# Altium PCB Minion_Rev2.PcbDoc (part 8 of 11)
Units mil, origin at the board's own origin, x right, y up, seen from the top; angles counter-clockwise.
Board outline 4724.41 x 6929.13 mil, 4 copper layers (L1, L2, L3, L4), stack 62.087 mil thick; 873 components, 147 nets, 5651 pads, 5666 vias.
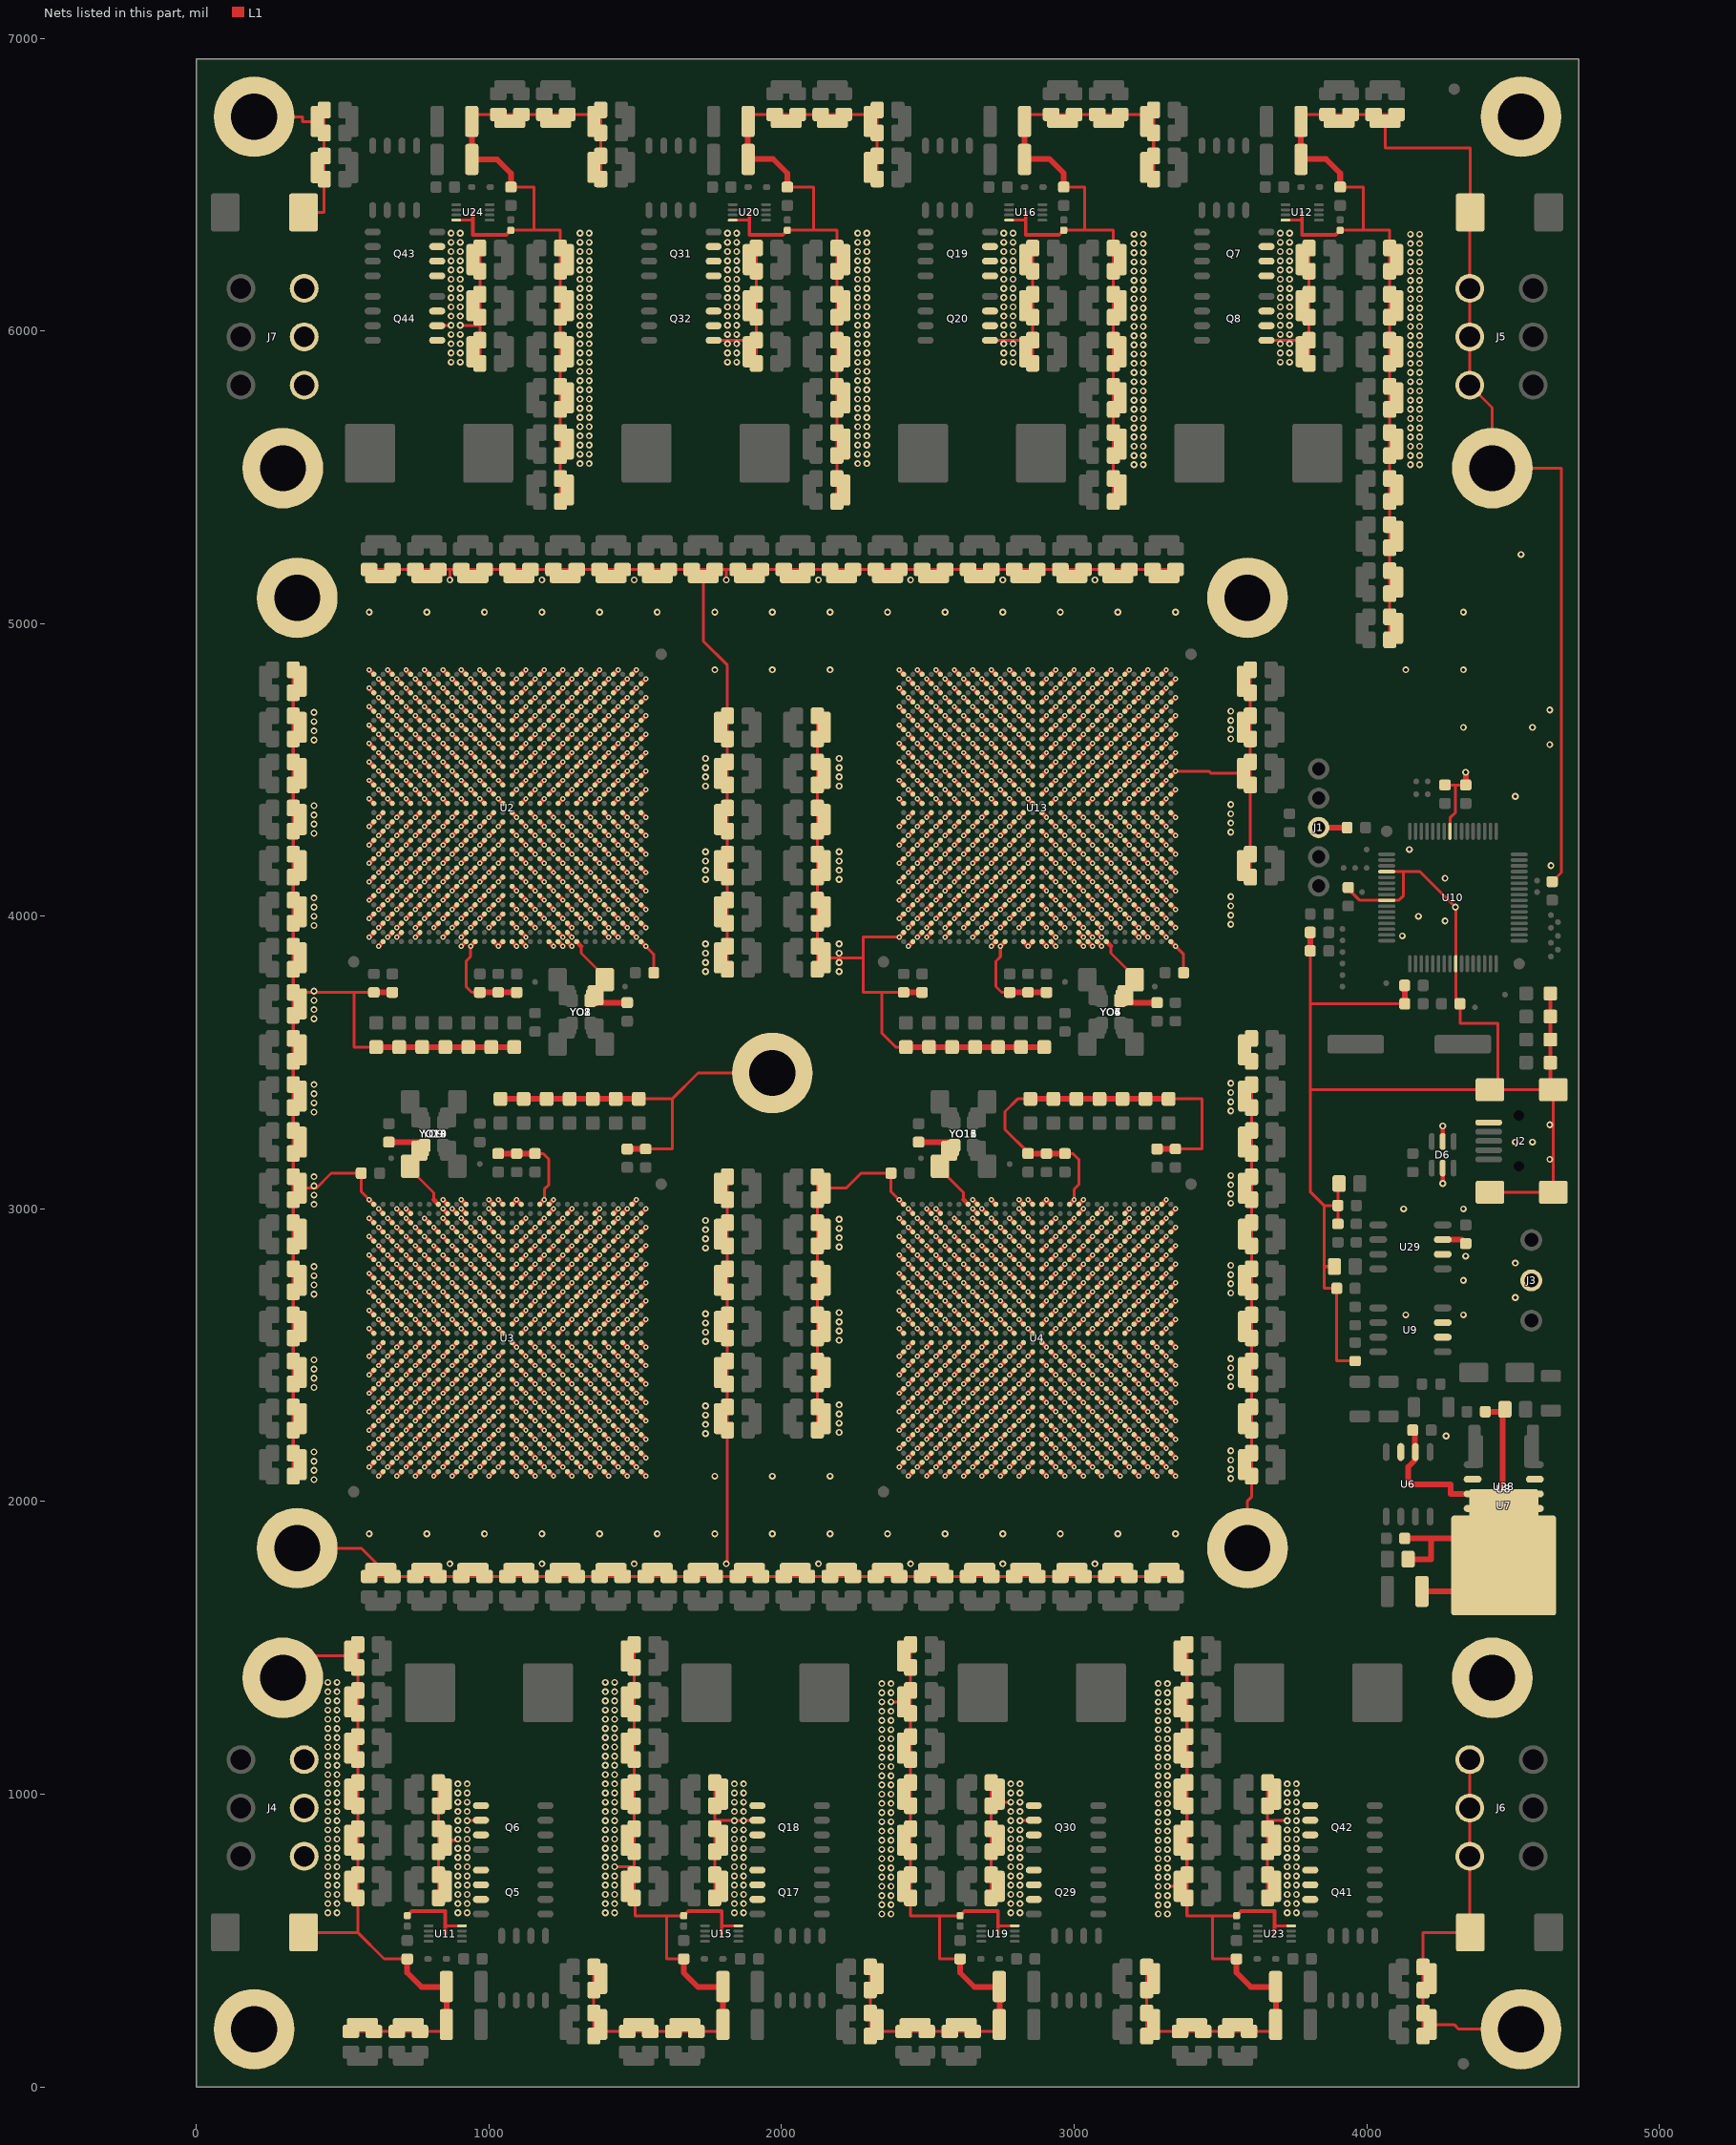
[diagram p10: the nets of this part, all layers, seen from the top]

## Via types
v1: diameter 17.72/17.72/17.72/17.72 (per signal layer), hole 7.87, L1 to L4, 3578 vias
v2: diameter 23.62/23.62/23.62/23.62 (per signal layer), hole 11.81, L1 to L4, 2088 vias

## Nets (pads, with @x,y where several pads share a name; then routed paths per layer and width w, separated by ;. In a path a pad name is that pad's centre, name@x,y a point inside that pad or via, vN(x,y) a via of type N, cw(c..) or ccw(c..) an arc to the next point about the centre after c; other vN are vias at no path point) (continued)
GND: C1.2 C2.2 C3.2 C5.2 C6.2 C7.2 C8.2 C9.2 C10.2 C11.2 C12.2 C13.1 C14.2 C15.2 C16.2 C17.2 C19.1 C20.1 C21.1 C22.1 C23.1 C24.2 C25.2 C26.1 C27.1 C30.1 C31.1 C32.1 C33.1 C34.1 C35.1 C36.1 C37.1 C38.1 C39.1 C40.1 C41.1 C42.1 C43.1 C44.1 C45.1 C46.1 C47.1 C48.1 C49.1 C50.1 C51.1 C52.1 C53.1 C54.1 C55.1 C56.2 C57.2 C58.1 C59.1 C62.1 C63.1 C64.1 C65.1 C66.1 C67.1 C68.1 C69.1 C70.1 C71.1 C72.1 C73.1 C74.1 C75.1 C76.1 C77.1 C78.1 C79.1 C80.1 C81.1 C82.1 C83.1 C84.1 C85.1 C86.1 C87.1 C88.2 C89.2 C90.1 C91.1 C94.1 C95.1 C96.1 C97.1 C98.1 C99.1 C100.1 C101.1 C102.1 C103.1 C104.1 C105.1 C106.1 C107.1 C108.1 C109.1 C110.1 C111.1 C112.1 C113.1 C114.1 C115.1 C116.1 C117.1 C118.1 C119.1 C120.2 C121.2 C122.1 C123.1 C126.1 C127.1 C128.1 C129.1 C130.1 C131.1 C132.1 C133.1 C134.1 C135.1 C136.1 C137.1 C138.1 C139.1 C140.1 C141.1 C142.1 C143.1 C144.1 C145.1 C146.1 C147.1 C148.1 C149.1 C150.1 C151.1 C152.1 C153.1 C154.1 C155.1 C156.1 C157.1 C158.1 C159.1 C160.1 C161.1 C162.1 C163.1 C164.1 C165.1 C166.1 C167.1 C169.1 C170.1 C171.1 C172.1 C173.1 C174.1 C175.1 C176.1 C177.1 C178.1 C179.1 C180.1 C197.1 C198.1 C199.1 C200.1 C201.1 C202.1 C203.1 C204.1 C205.1 C206.1 C207.1 C208.1 C209.1 C210.1 C211.1 C212.1 C213.1 C214.1 C231.2 C232.2 C236.1 C239.1 C289.1 C291.1 C293.1 C294.1 C303.1 C304.1 C305.1 C306.1 C307.1 C309.1 C315.1 C322.2 C323.2 C324.2 C325.2 C326.2 C327.2 C328.2 C329.2 C330.2 C331.2 C332.2 C333.2 C334.2 C335.2 C336.2 C337.2 C338.2 C339.2 C340.2 C341.2 C342.2 C343.2 C344.2 C345.2 C346.2 C347.2 C348.1 C349.1 C350.1 C351.1 C352.1 C353.2 C354.2 C355.2 C356.2 C357.2 C358.2 C359.2 C360.2 C361.2 C362.2 C363.2 C364.2 C365.2 C366.2 C367.2 C368.2 C369.2 C370.2 C371.2 C372.2 C373.2 C374.2 C375.2 C376.2 C377.2 C378.2 C379.2 C380.2 C381.2 C382.2 C383.2 C384.2 C385.2 C386.2 C387.2 C388.2 C389.2 C390.2 C391.2 C392.2 C393.1 C394.1 C395.1 C396.1 C397.1 C398.1 C399.1 C400.1 C401.1 C402.1 C403.1 C404.1 C405.1 C406.1 C407.1 C408.1 C409.1 C410.1 C411.1 C412.1 C413.1 C414.1 C415.1 C416.1 C417.1 C418.1 C419.1 C420.1 C421.1 C422.1 C423.1 C424.1 C425.1 C426.1 C427.1 C428.2 C429.2 C430.2 C431.2 C432.2 C433.2 C434.2 C435.2 C436.2 C437.2 C438.2 C439.2 C440.2 C441.2 C442.2 C443.2 C444.2 C445.2 C446.2 C447.2 C448.2 C449.2 C450.2 C451.2 C452.2 C453.2 C454.2 C455.2 C456.2 C457.2 C458.2 C459.2 C460.2 C461.2 C462.2 C463.2 C464.2 C465.2 C466.2 C467.2 C468.2 C469.2 C470.2 C471.2 C472.2 C473.2 C474.2 C475.2 C476.2 C477.2 C478.2 C479.2 C480.2 C481.2 C482.2 C483.2 C484.2 C485.2 C486.2 C487.2 C488.2 C489.2 C490.2 C491.2 C592.2 C593.1 C594.2 C595.2 C596.1 C597.2 C598.2 C599.1 C600.2 C601.2 C602.1 C603.2 C604.2 C605.1 C606.2 C608.2 C609.2 C610.2 C616.1 C640.2 C642.2 C643.2 C645.2 C646.2 C652.2 C653.1 C654.2 C655.2 C656.1 C657.2 C658.2 C659.1 C660.2 C661.2 C662.1 C663.2 C664.2 C665.1 C666.2 C667.2 C668.1 C669.2 C670.2 C671.1 C672.2 C673.2 C674.1 C675.2 C676.2 C677.1 C678.2 C679.2 C680.1 C681.2 C686.1 C688.2 C689.1 C692.1 C695.1 C711.2 C712.2 C714.2 C715.2 C717.2 C742.2 C743.1 C744.2 C745.2 C746.1 C747.2 C748.2 C749.1 C750.2 C751.2 C752.1 C753.2 C754.2 C755.1 C756.2 C757.2 C758.1 C759.2 C760.2 C761.1 C762.2 C763.2 C764.1 C765.2 C766.2 C767.1 C768.2 C769.2 C770.1 C771.2 C776.1 C779.1 C782.1 C785.1 C807.2 C808.2 C810.2 C811.2 C813.2 C814.2 C832.2 C833.1 C834.2 C835.2 C836.1 C837.2 C838.2 C839.1 C840.2 C841.2 C842.1 C843.2 C844.2 C845.1 C846.2 C847.2 C848.1 C849.2 C850.2 C851.1 C852.2 C853.2 C854.1 C855.2 C856.2 C857.1 C858.2 C859.2 C860.1 C861.2 C866.1 C868.2 C869.1 C872.1 C876.2 C877.2 C879.2 C880.2 C882.2 C913.2 C915.2 C916.2 C918.2 C919.2 C922.2 C923.1 C924.2 C925.2 C926.1 C927.2 C928.2 C929.1 C930.2 C931.2 C932.1 C933.2 C934.2 C935.1 C936.2 C937.2 C938.1 C939.2 C940.2 C941.1 C942.2 C943.2 C944.1 C945.2 C946.2 C947.1 C948.2 C949.2 C950.1 C951.2 C952.2 C953.1 C954.2 C955.2 C956.1 C957.2 C958.2 C959.1 C960.2 C961.2 C962.1 C963.2 C964.2 C965.1 C966.2 C967.2 C968.1 C969.2 C970.2 C971.1 C972.2 C973.2 C974.1 C975.2 C976.2 C977.1 C978.2 C979.2 C980.1 C981.2 C982.2 C983.1 C984.2 C985.2 C986.1 C987.2 C988.2 C989.1 C990.2 C991.2 C992.1 C993.2 C994.2 C995.1 C996.2 C997.2 C998.1 C999.2 C1000.2 C1001.1 C1002.2 C1003.2 C1004.1 C1005.2 C1006.2 C1007.1 C1008.2 C1009.2 C1010.1 C1011.2 C1012.2 C1013.1 C1014.2 C1015.2 C1016.1 C1017.2 C1018.2 C1019.1 C1020.2 C1021.2 C1022.1 C1023.2 C1024.2 C1025.1 C1026.2 C1027.2 C1028.1 C1029.2 C1030.2 C1031.1 C1032.2 C1033.2 C1034.1 C1035.2 C1036.2 C1037.1 C1038.2 C1039.2 C1040.1 C1041.2 C1042.2 C1043.1 C1044.2 C1045.2 C1046.1 C1047.2 C1048.2 C1049.1 C1050.2 C1051.2 C1052.1 C1053.2 C1054.2 C1055.1 C1056.2 C1057.2 C1058.1 C1059.2 C1060.2 C1061.1 C1062.2 C1063.2 C1064.1 C1065.2 C1066.2 C1067.1 C1068.2 C1069.2 C1070.1 C1071.2 D1.1 D2.1 D3.1 D4.1 D5.1 D6.2 D6.5 D7.1 D9.1 D12.1 D13.1 D16.1 D17.1 D20.1 D21.1 D24.1 D25.1 D26.2 D27.1 D28.2 D29.1 D30.2 D31.1 D32.2 D33.1 D34.1 D35.1 D36.1 D37.1 D38.1 D39.1 D40.1 D41.1 D42.1 D43.1 D44.1 D45.1 D46.1 J1.3 J2.5 J2.6 J2.7 J2.8 J2.9 J3.2 J4.4 J4.5 J4.6 J5.4 J5.5 J5.6 J6.4 J6.5 J6.6 J7.4 J7.5 J7.6 J9.1 J13.1 J14.1 J15.1 J16.1 J17.1 J18.1 J19.1 J20.1 J21.1 J22.1 J23.1 J24.1 Q5.1 Q5.2 Q5.3 Q6.1 Q6.2 Q6.3 Q7.1 Q7.2 Q7.3 Q8.1 Q8.2 Q8.3 Q17.1 Q17.2 Q17.3 Q18.1 Q18.2 Q18.3 Q19.1 Q19.2 Q19.3 Q20.1 Q20.2 Q20.3 Q29.1 Q29.2 Q29.3 Q30.1 Q30.2 Q30.3 Q31.1 Q31.2 Q31.3 Q32.1 Q32.2 Q32.3 Q41.1 Q41.2 Q41.3 Q42.1 Q42.2 Q42.3 Q43.1 Q43.2 Q43.3 Q44.1 Q44.2 Q44.3 R17.2 R19.1 R25.1 R28.2 R37.1 R38.1 R39.1 R40.1 R41.1 R42.1 U2.A1 U2.A3 U2.A5 U2.A7 U2.A9 U2.A11 U2.A13 U2.A15 U2.A17 U2.A19 U2.A21 U2.A23 U2.A25 U2.A27 U2.A29 U2.AA1 U2.AA3 U2.AA5 U2.AA7 U2.AA9 U2.AA11 U2.AA13 U2.AA15 U2.AA17 U2.AA19 U2.AA21 U2.AA23 U2.AA25 U2.AA27 U2.AA29 U2.AB2 U2.AB4 U2.AB6 U2.AB8 U2.AB10 U2.AB12 U2.AB14 U2.AB16 U2.AB18 U2.AB20 U2.AB22 U2.AB24 U2.AB26 U2.AB28 U2.AB30 U2.AC1 U2.AC3 U2.AC5 U2.AC7 U2.AC9 U2.AC11 U2.AC13 U2.AC15 U2.AC17 U2.AC19 U2.AC21 U2.AC23 U2.AC25 U2.AC27 U2.AC29 U2.AD2 U2.AD4 U2.AD6 U2.AD8 U2.AD10 U2.AD12 U2.AD14 U2.AD16 U2.AD18 U2.AD20 U2.AD22 U2.AD24 U2.AD26 U2.AD28 U2.AD30 U2.AE1 U2.AE3 U2.AE5 U2.AE7 U2.AE9 U2.AE11 U2.AE13 U2.AE15 U2.AE17 U2.AE19 U2.AE21 U2.AE23 U2.AE25 U2.AE27 U2.AE29 U2.AF2 U2.AF4 U2.AF6 U2.AF8 U2.AF10 U2.AF12 U2.AF14 U2.AF16 U2.AF18 U2.AF20 U2.AF22 U2.AF24 U2.AF26 U2.AF28 U2.AF30 U2.AG1 U2.AG3 U2.AG5 U2.AG7 U2.AG9 U2.AG11 U2.AG13 U2.AG15 U2.AG17 U2.AG19 U2.AG21 U2.AG23 U2.AG25 U2.AG27 U2.AG29 U2.AH2 U2.AH4 U2.AH6 U2.AH8 U2.AH10 U2.AH12 U2.AH14 U2.AH16 U2.AH18 U2.AH20 U2.AH22 U2.AH24 U2.AH26 U2.AH28 U2.AH30 U2.AJ1 U2.AJ3 U2.AJ4 U2.AJ6 U2.AJ9 U2.AJ11 U2.AJ17 U2.AJ21 U2.AJ22 U2.AJ26 U2.AJ27 U2.AJ29 U2.AK2 U2.AK11 U2.AK12 U2.AK14 U2.AK15 U2.AK16 U2.AK17 U2.AK20 U2.AK21 U2.AK22 U2.AK23 U2.AK30 U2.B2 U2.B4 U2.B6 U2.B8 U2.B10 U2.B12 U2.B14 U2.B16 U2.B18 U2.B20 U2.B22 U2.B24 U2.B26 U2.B28 U2.B30 U2.C1 U2.C3 U2.C5 U2.C7 U2.C9 U2.C11 U2.C13 U2.C15 U2.C17 U2.C19 U2.C21 U2.C23 U2.C25 U2.C27 U2.C29 U2.D2 U2.D4 U2.D6 U2.D8 U2.D10 U2.D12 U2.D14 U2.D16 U2.D18 U2.D20 U2.D22 U2.D24 U2.D26 U2.D28 U2.D30 U2.E1 U2.E3 U2.E5 U2.E7 U2.E9 U2.E11 U2.E13 U2.E15 U2.E17 U2.E19 U2.E21 U2.E23 U2.E25 U2.E27 U2.E29 U2.F2 U2.F4 U2.F6 U2.F8 U2.F10 U2.F12 U2.F14 U2.F16 U2.F18 U2.F20 U2.F22 U2.F24 U2.F26 U2.F28 U2.F30 U2.G1 U2.G3 U2.G5 U2.G7 U2.G9 U2.G11 U2.G13 U2.G15 U2.G17 U2.G19 U2.G21 U2.G23 U2.G25 U2.G27 U2.G29 U2.H2 U2.H4 U2.H6 U2.H8 U2.H10 U2.H12 U2.H14 U2.H16 U2.H18 U2.H20 U2.H22 U2.H24 U2.H26 U2.H28 U2.H30 U2.J1 U2.J3 U2.J5 U2.J7 U2.J9 U2.J11 U2.J13 U2.J15 U2.J17 U2.J19 U2.J21 U2.J23 U2.J25 U2.J27 U2.J29 U2.K2 U2.K4 U2.K6 U2.K8 U2.K10 U2.K12 U2.K14 U2.K16 U2.K18 U2.K20 U2.K22 U2.K24 U2.K26 U2.K28 U2.K30 U2.L1 U2.L3 U2.L5 U2.L7 U2.L9 U2.L11 U2.L13 U2.L15 U2.L17 U2.L19 U2.L21 U2.L23 U2.L25 U2.L27 U2.L29 U2.M2 U2.M4 U2.M6 U2.M8 U2.M10 U2.M12 U2.M14 U2.M16 U2.M18 U2.M20 U2.M22 U2.M24 U2.M26 U2.M28 U2.M30 U2.N1 U2.N3 U2.N5 U2.N7 U2.N9 U2.N11 U2.N13 U2.N15 U2.N17 U2.N19 U2.N21 U2.N23 U2.N25 U2.N27 U2.N29 U2.P2 U2.P4 U2.P6 U2.P8 U2.P10 U2.P12 U2.P14 U2.P16 U2.P18 U2.P20 U2.P22 U2.P24 U2.P26 U2.P28 U2.P30 U2.R1 U2.R3 U2.R5 U2.R7 U2.R9 U2.R11 U2.R13 U2.R15 U2.R17 U2.R19 U2.R21 U2.R23 U2.R25 U2.R27 U2.R29 U2.T2 U2.T4 U2.T6 U2.T8 U2.T10 U2.T12 U2.T14 U2.T16 U2.T18 U2.T20 U2.T22 U2.T24 U2.T26 U2.T28 U2.T30 U2.U1 U2.U3 U2.U5 U2.U7 U2.U9 U2.U11 U2.U13 U2.U15 U2.U17 U2.U19 U2.U21 U2.U23 U2.U25 U2.U27 U2.U29 U2.V2 U2.V4 U2.V6 U2.V8 U2.V10 U2.V12 U2.V14 U2.V16 U2.V18 U2.V20 U2.V22 U2.V24 U2.V26 U2.V28 U2.V30 U2.W1 U2.W3 U2.W5 U2.W7 U2.W9 U2.W11 U2.W13 U2.W15 U2.W17 U2.W19 U2.W21 U2.W23 U2.W25 U2.W27 U2.W29 U2.Y2 U2.Y4 U2.Y6 U2.Y8 U2.Y10 U2.Y12 U2.Y14 U2.Y16 U2.Y18 U2.Y20 U2.Y22 U2.Y24 U2.Y26 U2.Y28 U2.Y30 U3.A1 U3.A3 U3.A5 U3.A7 U3.A9 U3.A11 U3.A13 U3.A15 U3.A17 U3.A19 U3.A21 U3.A23 U3.A25 U3.A27 U3.A29 U3.AA1 U3.AA3 U3.AA5 U3.AA7 U3.AA9 U3.AA11 U3.AA13 U3.AA15 U3.AA17 U3.AA19 U3.AA21 U3.AA23 U3.AA25 U3.AA27 U3.AA29 U3.AB2 U3.AB4 U3.AB6 U3.AB8 U3.AB10 U3.AB12 U3.AB14 U3.AB16 U3.AB18 U3.AB20 U3.AB22 U3.AB24 U3.AB26 U3.AB28 U3.AB30 U3.AC1 U3.AC3 U3.AC5 U3.AC7 U3.AC9 U3.AC11 U3.AC13 U3.AC15 U3.AC17 U3.AC19 U3.AC21 U3.AC23 U3.AC25 U3.AC27 U3.AC29 U3.AD2 U3.AD4 U3.AD6 U3.AD8 U3.AD10 U3.AD12 U3.AD14 U3.AD16 U3.AD18 U3.AD20 U3.AD22 U3.AD24 U3.AD26 U3.AD28 U3.AD30 U3.AE1 U3.AE3 U3.AE5 U3.AE7 U3.AE9 U3.AE11 U3.AE13 U3.AE15 U3.AE17 U3.AE19 U3.AE21 U3.AE23 U3.AE25 U3.AE27 U3.AE29 U3.AF2 U3.AF4 U3.AF6 U3.AF8 U3.AF10 U3.AF12 U3.AF14 U3.AF16 U3.AF18 U3.AF20 U3.AF22 U3.AF24 U3.AF26 U3.AF28 U3.AF30 U3.AG1 U3.AG3 U3.AG5 U3.AG7 U3.AG9 U3.AG11 U3.AG13 U3.AG15 U3.AG17 U3.AG19 U3.AG21 U3.AG23 U3.AG25 U3.AG27 U3.AG29 U3.AH2 U3.AH4 U3.AH6 U3.AH8 U3.AH10 U3.AH12 U3.AH14 U3.AH16 U3.AH18 U3.AH20 U3.AH22 U3.AH24 U3.AH26 U3.AH28 U3.AH30 U3.AJ1 U3.AJ3 U3.AJ4 U3.AJ6 U3.AJ9 U3.AJ11 U3.AJ17 U3.AJ20 U3.AJ21 U3.AJ22 U3.AJ26 U3.AJ27 U3.AJ29 U3.AK2 U3.AK11 U3.AK12 U3.AK14 U3.AK15 U3.AK16 U3.AK17 U3.AK20 U3.AK22 U3.AK23 U3.AK30 U3.B2 U3.B4 U3.B6 U3.B8 U3.B10 U3.B12 U3.B14 U3.B16 U3.B18 U3.B20 U3.B22 U3.B24 U3.B26 U3.B28 U3.B30 U3.C1 U3.C3 U3.C5 U3.C7 U3.C9 U3.C11 U3.C13 U3.C15 U3.C17 U3.C19 U3.C21 U3.C23 U3.C25 U3.C27 U3.C29 U3.D2 U3.D4 U3.D6 U3.D8 U3.D10 U3.D12 U3.D14 U3.D16 U3.D18 U3.D20 U3.D22 U3.D24 U3.D26 U3.D28 U3.D30 U3.E1 U3.E3 U3.E5 U3.E7 U3.E9 U3.E11 U3.E13 U3.E15 U3.E17 U3.E19 U3.E21 U3.E23 U3.E25 U3.E27 U3.E29 U3.F2 U3.F4 U3.F6 U3.F8 U3.F10 U3.F12 U3.F14 U3.F16 U3.F18 U3.F20 U3.F22 U3.F24 U3.F26 U3.F28 U3.F30 U3.G1 U3.G3 U3.G5 U3.G7 U3.G9 U3.G11 U3.G13 U3.G15 U3.G17 U3.G19 U3.G21 U3.G23 U3.G25 U3.G27 U3.G29 U3.H2 U3.H4 U3.H6 U3.H8 U3.H10 U3.H12 U3.H14 U3.H16 U3.H18 U3.H20 U3.H22 U3.H24 U3.H26 U3.H28 U3.H30 U3.J1 U3.J3 U3.J5 U3.J7 U3.J9 U3.J11 U3.J13 U3.J15 U3.J17 U3.J19 U3.J21 U3.J23 U3.J25 U3.J27 U3.J29 U3.K2 U3.K4 U3.K6 U3.K8 U3.K10 U3.K12 U3.K14 U3.K16 U3.K18 U3.K20 U3.K22 U3.K24 U3.K26 U3.K28 U3.K30 U3.L1 U3.L3 U3.L5 U3.L7 U3.L9 U3.L11 U3.L13 U3.L15 U3.L17 U3.L19 U3.L21 U3.L23 U3.L25 U3.L27 U3.L29 U3.M2 U3.M4 U3.M6 U3.M8 U3.M10 U3.M12 U3.M14 U3.M16 U3.M18 U3.M20 U3.M22 U3.M24 U3.M26 U3.M28 U3.M30 U3.N1 U3.N3 U3.N5 U3.N7 U3.N9 U3.N11 U3.N13 U3.N15 U3.N17 U3.N19 U3.N21 U3.N23 U3.N25 U3.N27 U3.N29 U3.P2 U3.P4 U3.P6 U3.P8 U3.P10 U3.P12 U3.P14 U3.P16 U3.P18 U3.P20 U3.P22 U3.P24 U3.P26 U3.P28 U3.P30 U3.R1 U3.R3 U3.R5 U3.R7 U3.R9 U3.R11 U3.R13 U3.R15 U3.R17 U3.R19 U3.R21 U3.R23 U3.R25 U3.R27 U3.R29 U3.T2 U3.T4 U3.T6 U3.T8 U3.T10 U3.T12 U3.T14 U3.T16 U3.T18 U3.T20 U3.T22 U3.T24 U3.T26 U3.T28 U3.T30 U3.U1 U3.U3 U3.U5 U3.U7 U3.U9 U3.U11 U3.U13 U3.U15 U3.U17 U3.U19 U3.U21 U3.U23 U3.U25 U3.U27 U3.U29 U3.V2 U3.V4 U3.V6 U3.V8 U3.V10 U3.V12 U3.V14 U3.V16 U3.V18 U3.V20 U3.V22 U3.V24 U3.V26 U3.V28 U3.V30 U3.W1 U3.W3 U3.W5 U3.W7 U3.W9 U3.W11 U3.W13 U3.W15 U3.W17 U3.W19 U3.W21 U3.W23 U3.W25 U3.W27 U3.W29 U3.Y2 U3.Y4 U3.Y6 U3.Y8 U3.Y10 U3.Y12 U3.Y14 U3.Y16 U3.Y18 U3.Y20 U3.Y22 U3.Y24 U3.Y26 U3.Y28 U3.Y30 U4.A1 U4.A3 U4.A5 U4.A7 U4.A9 U4.A11 U4.A13 U4.A15 U4.A17 U4.A19 U4.A21 U4.A23 U4.A25 U4.A27 U4.A29 U4.AA1 U4.AA3 U4.AA5 U4.AA7 U4.AA9 U4.AA11 U4.AA13 U4.AA15 U4.AA17 U4.AA19 U4.AA21 U4.AA23 U4.AA25 U4.AA27 U4.AA29 U4.AB2 U4.AB4 U4.AB6 U4.AB8 U4.AB10 U4.AB12 U4.AB14 U4.AB16 U4.AB18 U4.AB20 U4.AB22 U4.AB24 U4.AB26 U4.AB28 U4.AB30 U4.AC1 U4.AC3 U4.AC5 U4.AC7 U4.AC9 U4.AC11 U4.AC13 U4.AC15 U4.AC17 U4.AC19 U4.AC21 U4.AC23 U4.AC25 U4.AC27 U4.AC29 U4.AD2 U4.AD4 U4.AD6 U4.AD8 U4.AD10 U4.AD12 U4.AD14 U4.AD16 U4.AD18 U4.AD20 U4.AD22 U4.AD24 U4.AD26 U4.AD28 U4.AD30 U4.AE1 U4.AE3 U4.AE5 U4.AE7 U4.AE9 U4.AE11 U4.AE13 U4.AE15 U4.AE17 U4.AE19 U4.AE21 U4.AE23 U4.AE25 U4.AE27 U4.AE29 U4.AF2 U4.AF4 U4.AF6 U4.AF8 U4.AF10 U4.AF12 U4.AF14 U4.AF16 U4.AF18 U4.AF20 U4.AF22 U4.AF24 U4.AF26 U4.AF28 U4.AF30 U4.AG1 U4.AG3 U4.AG5 U4.AG7 U4.AG9 U4.AG11 U4.AG13 U4.AG15 U4.AG17 U4.AG19 U4.AG21 U4.AG23 U4.AG25 U4.AG27 U4.AG29 U4.AH2 U4.AH4 U4.AH6 U4.AH8 U4.AH10 U4.AH12 U4.AH14 U4.AH16 U4.AH18 U4.AH20 U4.AH22 U4.AH24 U4.AH26 U4.AH28 U4.AH30 U4.AJ1 U4.AJ3 U4.AJ4 U4.AJ6 U4.AJ9 U4.AJ11 U4.AJ17 U4.AJ21 U4.AJ22 U4.AJ26 U4.AJ27 U4.AJ29 U4.AK2 U4.AK11 U4.AK12 U4.AK14 U4.AK15 U4.AK16 U4.AK17 U4.AK20 U4.AK22 U4.AK23 U4.AK30 U4.B2 U4.B4 U4.B6 U4.B8 U4.B10 U4.B12 U4.B14 U4.B16 U4.B18 U4.B20 U4.B22 U4.B24 U4.B26 U4.B28 U4.B30 U4.C1 U4.C3 U4.C5 U4.C7 U4.C9 U4.C11 U4.C13 U4.C15 U4.C17 U4.C19 U4.C21 U4.C23 U4.C25 U4.C27 U4.C29 U4.D2 U4.D4 U4.D6 U4.D8 U4.D10 U4.D12 U4.D14 U4.D16 U4.D18 U4.D20 U4.D22 U4.D24 U4.D26 U4.D28 U4.D30 U4.E1 U4.E3 U4.E5 U4.E7 U4.E9 U4.E11 U4.E13 U4.E15 U4.E17 U4.E19 U4.E21 U4.E23 U4.E25 U4.E27 U4.E29 U4.F2 U4.F4 U4.F6 U4.F8 U4.F10 U4.F12 U4.F14 U4.F16 U4.F18 U4.F20 U4.F22 U4.F24 U4.F26 U4.F28 U4.F30 U4.G1 U4.G3 U4.G5 U4.G7 U4.G9 U4.G11 U4.G13 U4.G15 U4.G17 U4.G19 U4.G21 U4.G23 U4.G25 U4.G27 U4.G29 U4.H2 U4.H4 U4.H6 U4.H8 U4.H10 U4.H12 U4.H14 U4.H16 U4.H18 U4.H20 U4.H22 U4.H24 U4.H26 U4.H28 U4.H30 U4.J1 U4.J3 U4.J5 U4.J7 U4.J9 U4.J11 U4.J13 U4.J15 U4.J17 U4.J19 U4.J21 U4.J23 U4.J25 U4.J27 U4.J29 U4.K2 U4.K4 U4.K6 U4.K8 U4.K10 U4.K12 U4.K14 U4.K16 U4.K18 U4.K20 U4.K22 U4.K24 U4.K26 U4.K28 U4.K30 U4.L1 U4.L3 U4.L5 U4.L7 U4.L9 U4.L11 U4.L13 U4.L15 U4.L17 U4.L19 U4.L21 U4.L23 U4.L25 U4.L27 U4.L29 U4.M2 U4.M4 U4.M6 U4.M8 U4.M10 U4.M12 U4.M14 U4.M16 U4.M18 U4.M20 U4.M22 U4.M24 U4.M26 U4.M28 U4.M30 U4.N1 U4.N3 U4.N5 U4.N7 U4.N9 U4.N11 U4.N13 U4.N15 U4.N17 U4.N19 U4.N21 U4.N23 U4.N25 U4.N27 U4.N29 U4.P2 U4.P4 U4.P6 U4.P8 U4.P10 U4.P12 U4.P14 U4.P16 U4.P18 U4.P20 U4.P22 U4.P24 U4.P26 U4.P28 U4.P30 U4.R1 U4.R3 U4.R5 U4.R7 U4.R9 U4.R11 U4.R13 U4.R15 U4.R17 U4.R19 U4.R21 U4.R23 U4.R25 U4.R27 U4.R29 U4.T2 U4.T4 U4.T6 U4.T8 U4.T10 U4.T12 U4.T14 U4.T16 U4.T18 U4.T20 U4.T22 U4.T24 U4.T26 U4.T28 U4.T30 U4.U1 U4.U3 U4.U5 U4.U7 U4.U9 U4.U11 U4.U13 U4.U15 U4.U17 U4.U19 U4.U21 U4.U23 U4.U25 U4.U27 U4.U29 U4.V2 U4.V4 U4.V6 U4.V8 U4.V10 U4.V12 U4.V14 U4.V16 U4.V18 U4.V20 U4.V22 U4.V24 U4.V26 U4.V28 U4.V30 U4.W1 U4.W3 U4.W5 U4.W7 U4.W9 U4.W11 U4.W13 U4.W15 U4.W17 U4.W19 U4.W21 U4.W23 U4.W25 U4.W27 U4.W29 U4.Y2 U4.Y4 U4.Y6 U4.Y8 U4.Y10 U4.Y12 U4.Y14 U4.Y16 U4.Y18 U4.Y20 U4.Y22 U4.Y24 U4.Y26 U4.Y28 U4.Y30 U6.6 U6.7 U7.4 U8.4 U9.6 U9.7 U10.9 U10.20 U10.25 U10.41 U11.4 U11.9 U12.4 U12.9 U13.A1 U13.A3 U13.A5 U13.A7 U13.A9 U13.A11 U13.A13 U13.A15 U13.A17 U13.A19 U13.A21 U13.A23 U13.A25 U13.A27 U13.A29 U13.AA1 U13.AA3 U13.AA5 U13.AA7 U13.AA9 U13.AA11 U13.AA13 U13.AA15 U13.AA17 U13.AA19 U13.AA21 U13.AA23 U13.AA25 U13.AA27 U13.AA29 U13.AB2 U13.AB4 U13.AB6 U13.AB8 U13.AB10 U13.AB12 U13.AB14 U13.AB16 U13.AB18 U13.AB20 U13.AB22 U13.AB24 U13.AB26 U13.AB28 U13.AB30 U13.AC1 U13.AC3 U13.AC5 U13.AC7 U13.AC9 U13.AC11 U13.AC13 U13.AC15 U13.AC17 U13.AC19 U13.AC21 U13.AC23 U13.AC25 U13.AC27 U13.AC29 U13.AD2 U13.AD4 U13.AD6 U13.AD8 U13.AD10 U13.AD12 U13.AD14 U13.AD16 U13.AD18 U13.AD20 U13.AD22 U13.AD24 U13.AD26 U13.AD28 U13.AD30 U13.AE1 U13.AE3 U13.AE5 U13.AE7 U13.AE9 U13.AE11 U13.AE13 U13.AE15 U13.AE17 U13.AE19 U13.AE21 U13.AE23 U13.AE25 U13.AE27 U13.AE29 U13.AF2 U13.AF4 U13.AF6 U13.AF8 U13.AF10 U13.AF12 U13.AF14 U13.AF16 U13.AF18 U13.AF20 U13.AF22 U13.AF24 U13.AF26 U13.AF28 U13.AF30 U13.AG1 U13.AG3 U13.AG5 U13.AG7 U13.AG9 U13.AG11 U13.AG13 U13.AG15 U13.AG17 U13.AG19 U13.AG21 U13.AG23 U13.AG25 U13.AG27 U13.AG29 U13.AH2 U13.AH4 U13.AH6 U13.AH8 U13.AH10 U13.AH12 U13.AH14 U13.AH16 U13.AH18 U13.AH20 U13.AH22 U13.AH24 U13.AH26 U13.AH28 U13.AH30 U13.AJ1 U13.AJ3 U13.AJ4 U13.AJ6 U13.AJ9 U13.AJ11 U13.AJ17 U13.AJ20 U13.AJ21 U13.AJ22 U13.AJ26 U13.AJ27 U13.AJ29 U13.AK2 U13.AK11 U13.AK12 U13.AK14 U13.AK15 U13.AK16 U13.AK17 U13.AK20 U13.AK21 U13.AK22 U13.AK23 U13.AK30 U13.B2 U13.B4 U13.B6 U13.B8 U13.B10 U13.B12 U13.B14 U13.B16 U13.B18 U13.B20 U13.B22 U13.B24 U13.B26 U13.B28 U13.B30 U13.C1 U13.C3 U13.C5 U13.C7 U13.C9 U13.C11 U13.C13 U13.C15 U13.C17 U13.C19 U13.C21 U13.C23 U13.C25 U13.C27 U13.C29 U13.D2 U13.D4 U13.D6 U13.D8 U13.D10 U13.D12 U13.D14 U13.D16 U13.D18 U13.D20 U13.D22 U13.D24 U13.D26 U13.D28 U13.D30 U13.E1 U13.E3 U13.E5 U13.E7 U13.E9 U13.E11 U13.E13 U13.E15 U13.E17 U13.E19 U13.E21 U13.E23 U13.E25 U13.E27 U13.E29 U13.F2 U13.F4 U13.F6 U13.F8 U13.F10 U13.F12 U13.F14 U13.F16 U13.F18 U13.F20 U13.F22 U13.F24 U13.F26 U13.F28 U13.F30 U13.G1 U13.G3 U13.G5 U13.G7 U13.G9 U13.G11 U13.G13 U13.G15 U13.G17 U13.G19 U13.G21 U13.G23 U13.G25 U13.G27 U13.G29 U13.H2 U13.H4 U13.H6 U13.H8 U13.H10 U13.H12 U13.H14 U13.H16 U13.H18 U13.H20 U13.H22 U13.H24 U13.H26 U13.H28 U13.H30 U13.J1 U13.J3 U13.J5 U13.J7 U13.J9 U13.J11 U13.J13 U13.J15 U13.J17 U13.J19 U13.J21 U13.J23 U13.J25 U13.J27 U13.J29 U13.K2 U13.K4 U13.K6 U13.K8 U13.K10 U13.K12 U13.K14 U13.K16 U13.K18 U13.K20 U13.K22 U13.K24 U13.K26 U13.K28 U13.K30 U13.L1 U13.L3 U13.L5 U13.L7 U13.L9 U13.L11 U13.L13 U13.L15 U13.L17 U13.L19 U13.L21 U13.L23 U13.L25 U13.L27 U13.L29 U13.M2 U13.M4 U13.M6 U13.M8 U13.M10 U13.M12 U13.M14 U13.M16 U13.M18 U13.M20 U13.M22 U13.M24 U13.M26 U13.M28 U13.M30 U13.N1 U13.N3 U13.N5 U13.N7 U13.N9 U13.N11 U13.N13 U13.N15 U13.N17 U13.N19 U13.N21 U13.N23 U13.N25 U13.N27 U13.N29 U13.P2 U13.P4 U13.P6 U13.P8 U13.P10 U13.P12 U13.P14 U13.P16 U13.P18 U13.P20 U13.P22 U13.P24 U13.P26 U13.P28 U13.P30 U13.R1 U13.R3 U13.R5 U13.R7 U13.R9 U13.R11 U13.R13 U13.R15 U13.R17 U13.R19 U13.R21 U13.R23 U13.R25 U13.R27 U13.R29 U13.T2 U13.T4 U13.T6 U13.T8 U13.T10 U13.T12 U13.T14 U13.T16 U13.T18 U13.T20 U13.T22 U13.T24 U13.T26 U13.T28 U13.T30 U13.U1 U13.U3 U13.U5 U13.U7 U13.U9 U13.U11 U13.U13 U13.U15 U13.U17 U13.U19 U13.U21 U13.U23 U13.U25 U13.U27 U13.U29 U13.V2 U13.V4 U13.V6 U13.V8 U13.V10 U13.V12 U13.V14 U13.V16 U13.V18 U13.V20 U13.V22 U13.V24 U13.V26 U13.V28 U13.V30 U13.W1 U13.W3 U13.W5 U13.W7 U13.W9 U13.W11 U13.W13 U13.W15 U13.W17 U13.W19 U13.W21 U13.W23 U13.W25 U13.W27 U13.W29 U13.Y2 U13.Y4 U13.Y6 U13.Y8 U13.Y10 U13.Y12 U13.Y14 U13.Y16 U13.Y18 U13.Y20 U13.Y22 U13.Y24 U13.Y26 U13.Y28 U13.Y30 U15.4 U15.9 U16.4 U16.9 U19.4 U19.9 U20.4 U20.9 U23.4 U23.9 U24.4 U24.9 U28.2 U28.3 U28.4 U28.5 U28.6 U28.7 U29.6 U29.7 YO1.2 YO2.2 YO3.2 YO4.2 YO5.2 YO6.2 YO7.2 YO8.2 YO9.2 YO10.2 YO11.2 YO12.2 YO13.2 YO14.2 YO15.2 YO16.2 | length 107217.5